# Altium PCB PCB_v4.PcbDoc (part 7 of 7)
Units mm, origin at the board's own origin, x right, y up, seen from the top; angles counter-clockwise.
Board outline 171.45 x 152.4 mm, 6 copper layers (Top Layer, Int1 (GND), Int2 (Sign), Int3 (Sign), Int4 (PWR), Bottom Layer), stack 1.551 mm thick; 408 components, 505 nets, 2356 pads, 897 vias.
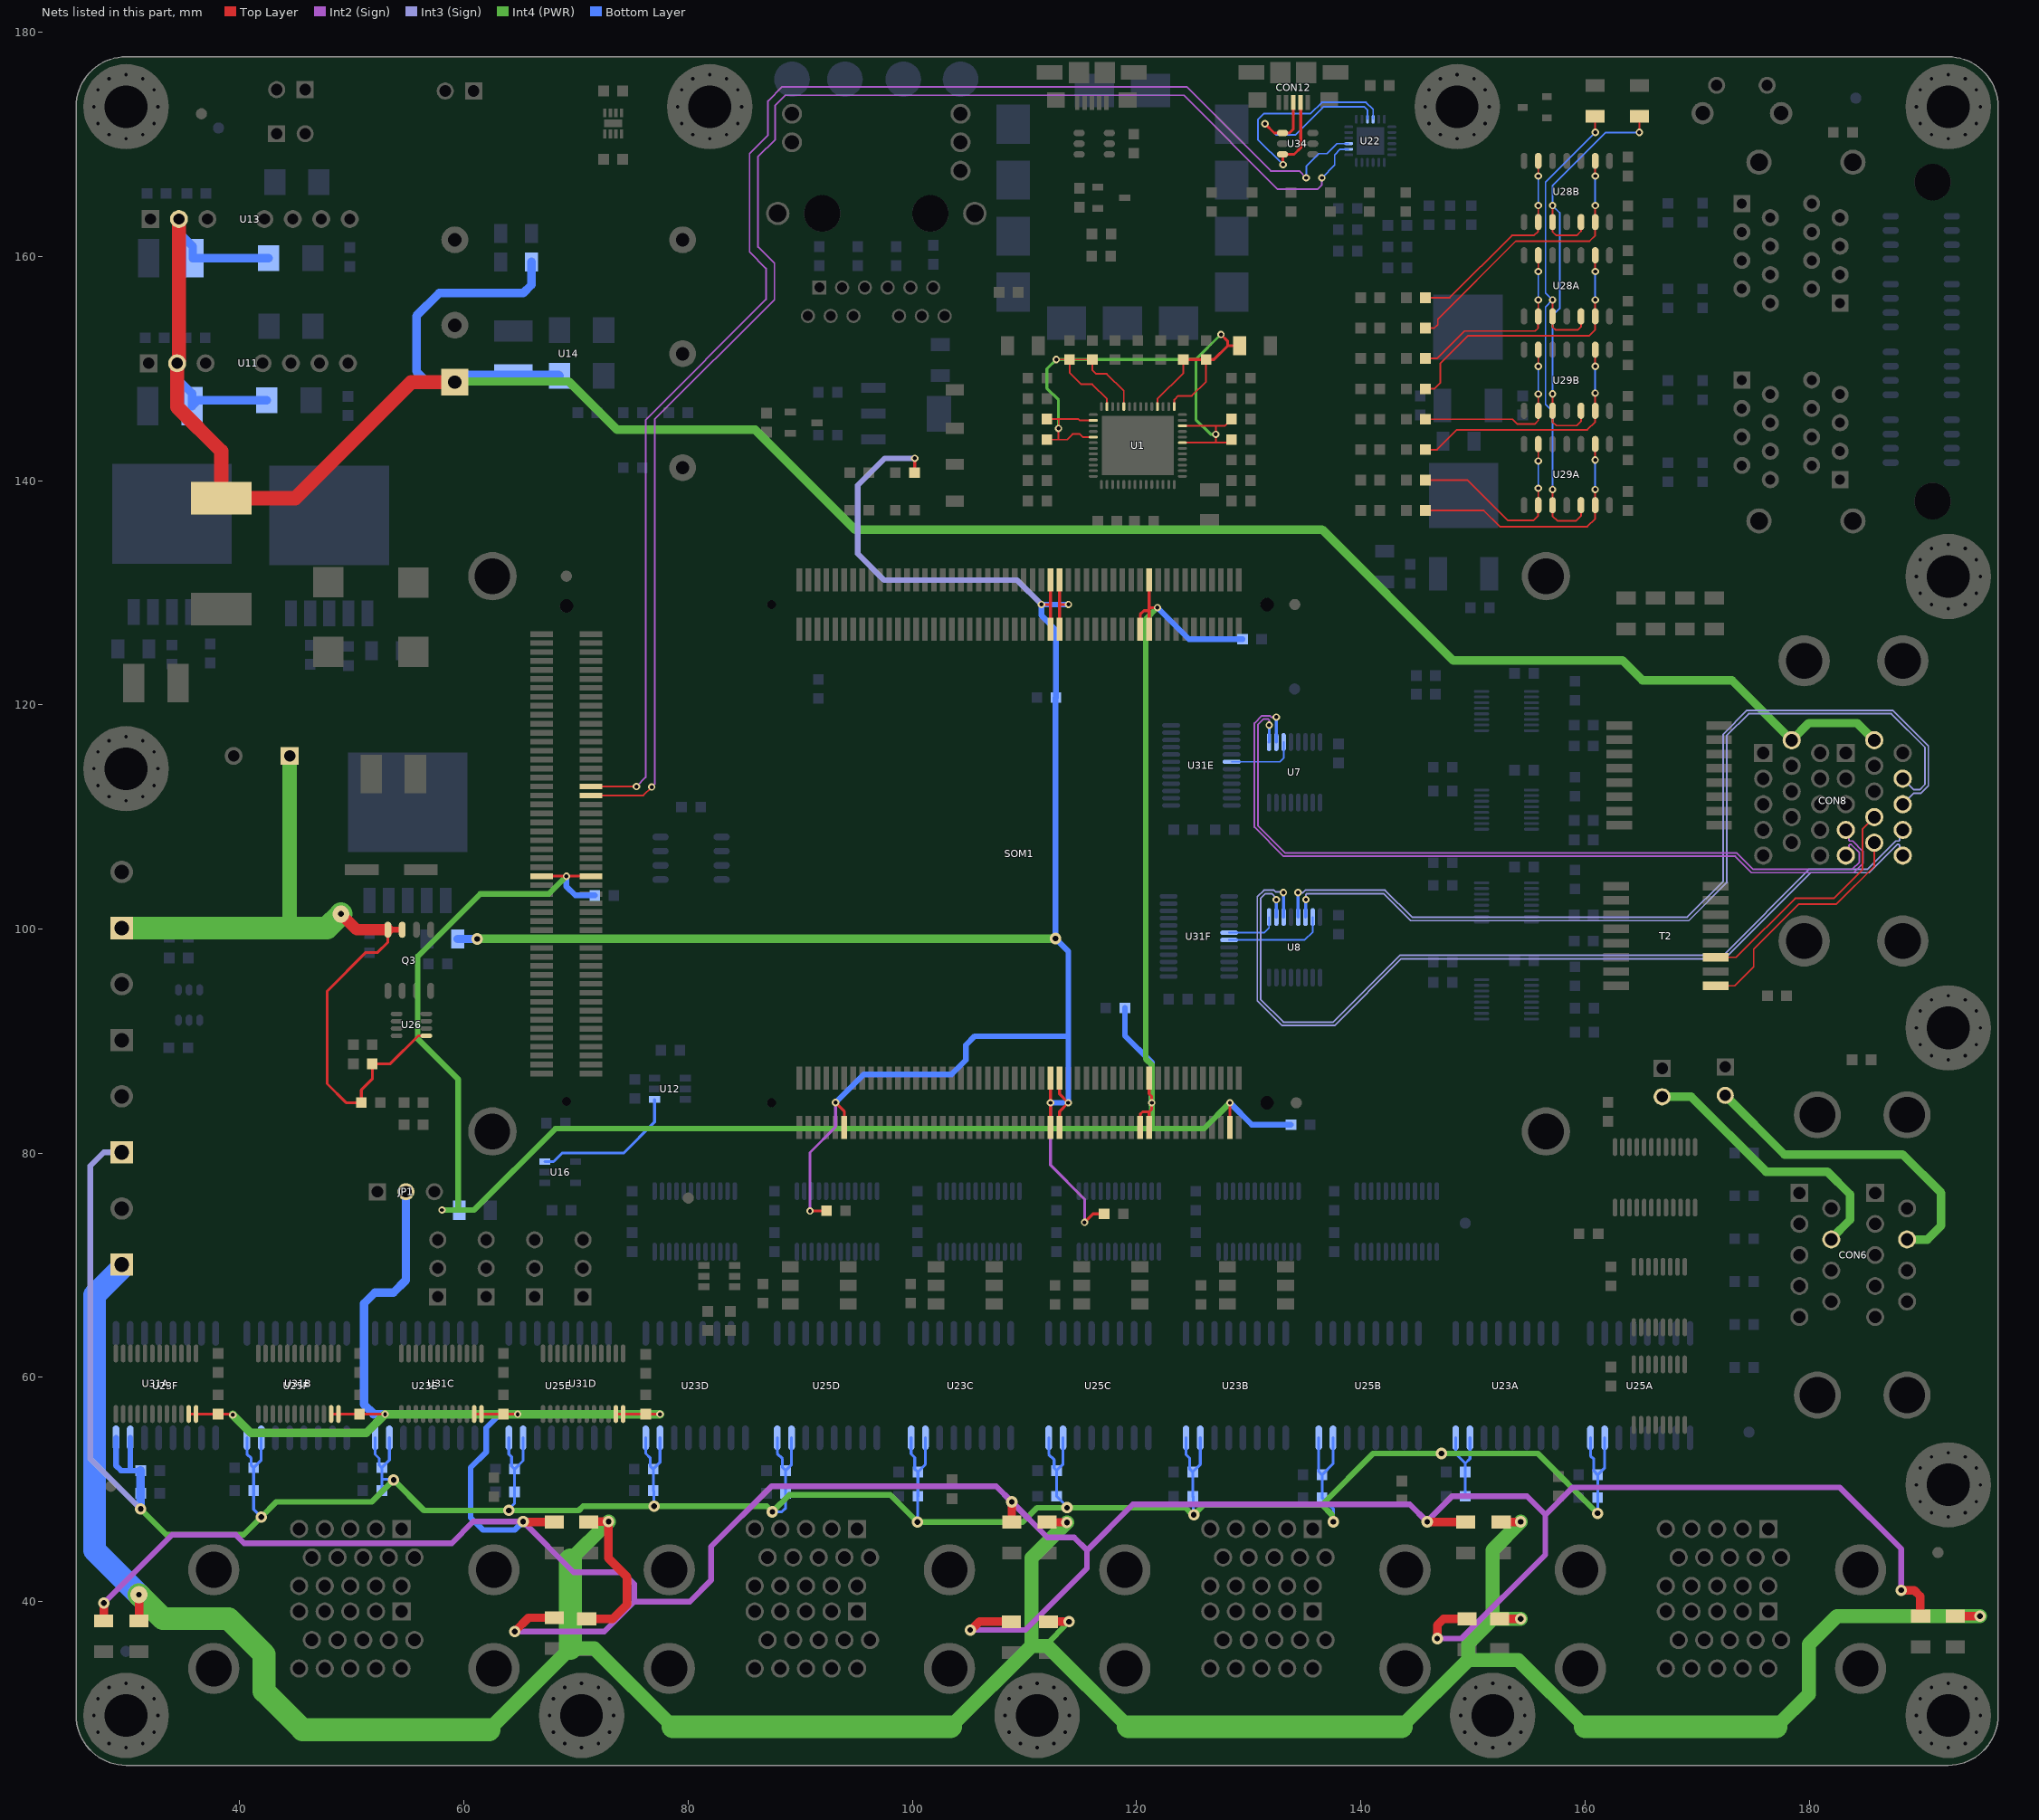
[diagram p11: the nets of this part, all layers, seen from the top]

## Via types
v1: diameter 0.66, hole 0.356, Top Layer to Bottom Layer, tented both sides, 808 vias
v2: diameter 1.016, hole 0.508, Top Layer to Bottom Layer, tented both sides, 72 vias
v3: diameter 0.66, hole 0.343, Top Layer to Bottom Layer, tented both sides, 7 vias
v4: diameter 1.524, hole 0.508, Top Layer to Bottom Layer, tented both sides, 7 vias
v5: diameter 1.524, hole 0.762, Top Layer to Bottom Layer, tented both sides, 2 vias
v6: diameter 2.032, hole 1.016, Top Layer to Bottom Layer, tented both sides, 1 vias

## Nets (pads, with @x,y where several pads share a name; then routed paths per layer and width w, separated by ;. In a path a pad name is that pad's centre, name@x,y a point inside that pad or via, vN(x,y) a via of type N, cw(c..) or ccw(c..) an arc to the next point about the centre after c; other vN are vias at no path point) (continued)
SPI3_OUT: U8.15 U31F.19 | length 9.1
  Bottom Layer w0.152: U31F.19@128.252,99.016 134.973,99.016 135.711,99.754 U8.15@135.711,101.066
SPI3_OUT_N: CON8.13B U8.13 | length 82.7
  Int3 (Sign) w0.152: v1(134.389,103.251) 134.4,103.24 134.833,103.24 135.054,103.462 142.156,103.462 144.564,101.054 169.126,101.054 172.327,104.255 172.327,117.377 174.458,119.507 187.452,119.507 190.627,116.332 190.627,112.776 189.967,112.116 189.332,112.116 CON8.13B@188.341,111.125
  Bottom Layer w0.254: v1(134.389,103.251) 134.4,103.24 134.4,101.077 U8.13@134.411,101.066
SPI3_OUT_P: CON8.12B U8.14 | length 80.8
  Int3 (Sign) w0.152: v1(135.103,102.623) 135.091,102.634 135.091,103.067 135.181,103.157 142.03,103.157 144.438,100.749 169.252,100.749 172.632,104.129 172.632,117.25 174.584,119.202 187.326,119.202 190.322,116.206 190.322,112.902 189.84,112.42 189.332,112.42 CON8.12B@188.341,113.411
  Bottom Layer w0.254: U8.14@135.061,101.066 135.082,101.086 135.082,102.603 v1(135.103,102.623)
SPI4_IM: CON8.10B T2.9 | length 21.6
  Top Layer w0.152: T2.9@171.663,94.935 173.333,94.935 175.045,96.647 175.045,98.21 179.07,102.235 182.431,102.235 185.801,105.605 CON8.10B@185.801,107.696
SPI4_IN: U7.11 U31E.18 | length 6.2
  Bottom Layer w0.152: U31E.18@128.477,114.915 132.784,114.915 133.111,115.243 U7.11@133.111,116.673
SPI4_IN_N: CON8.5B U7.9 | length 70.9
  Int2 (Sign) w0.152: v1(131.826,118.186) 131.839,118.2 131.839,118.63 131.75,118.72 131.293,118.72 130.81,118.237 130.81,109.22 133.239,106.791 173.524,106.791 174.981,105.334 183.845,105.334 184.48,105.969 184.48,106.807 183.743,107.544 183.617,107.544 183.528,107.454 183.528,106.82 CON8.5B@183.261,106.553
  Bottom Layer w0.254: U7.9@131.811,116.673 131.819,116.68 131.819,118.179 v1(131.826,118.186)
SPI4_IN_P: CON8.4B U7.10 | length 73.9
  Int2 (Sign) w0.152: v1(132.461,118.897) 132.448,118.884 132.017,118.884 131.876,119.024 131.166,119.024 130.505,118.363 130.505,109.094 133.113,106.486 173.397,106.486 174.854,105.029 183.971,105.029 184.785,105.843 184.785,106.933 183.869,107.848 183.617,107.848 183.528,107.938 183.528,108.572 CON8.4B@183.261,108.839
  Bottom Layer w0.254: U7.10@132.461,116.673 v1(132.461,118.897)
SPI4_IP: CON8.9B T2.11 | length 21.5
  Top Layer w0.152: T2.11@171.663,97.475 173.482,97.475 178.75,102.743 182.203,102.743 184.76,105.3 184.76,108.941 CON8.9B@185.801,109.982
SPI4_OUT: U8.9 U31F.18 | length 4.7
  Bottom Layer w0.152: U31F.18@128.252,99.666 131.365,99.666 131.811,100.112 U8.9@131.811,101.066
SPI4_OUT_N: CON8.15B U8.11 | length 80.1
  Int3 (Sign) w0.152: v1(133.096,103.251) 133.027,103.32 132.392,103.32 132.25,103.462 131.351,103.462 130.759,102.869 130.759,93.6 132.97,91.389 137.652,91.389 143.609,97.346 172.454,97.346 180.137,105.029 185.344,105.029 187.859,107.544 187.985,107.544 188.074,107.454 188.074,106.82 CON8.15B@188.341,106.553
  Bottom Layer w0.254: v1(133.096,103.251) 133.104,103.243 133.104,101.073 U8.11@133.111,101.066
SPI4_OUT_P: CON8.14B U8.10 | length 78
  Int3 (Sign) w0.152: v1(132.461,102.615) 132.461,102.738 132.043,103.157 131.478,103.157 131.064,102.743 131.064,93.726 133.096,91.694 137.526,91.694 143.483,97.651 172.327,97.651 180.011,105.334 185.218,105.334 187.733,107.848 187.985,107.848 188.074,107.938 188.074,108.572 CON8.14B@188.341,108.839
  Bottom Layer w0.254: U8.10@132.461,101.066 v1(132.461,102.615)
UART_USB_D_N: CON12.2 U22.4 U34.3 | length 23.7
  Top Layer w0.254: v1(133.061,168.183) 133.056,168.188 133.056,169.063 U34.3@133.016,169.103 134.051,169.103 134.635,169.687 CON12.2@134.635,173.609
  Bottom Layer w0.152: v1(133.061,168.183) 130.81,170.434 130.81,172.182 131.368,172.74 135.529,172.74 136.525,173.736 140.462,173.736 141.093,173.105 U22.4@141.093,172.232
UART_USB_D_P: CON12.3 U22.3 U34.1 | length 16.8
  Top Layer w0.254: v1(131.445,171.831) 132.273,171.003 U34.1@133.016,171.003 133.626,171.003 133.985,171.362 CON12.3@133.985,173.609
  Bottom Layer w0.152: v1(131.445,171.831) 132.421,170.855 134.193,170.855 136.693,173.355 140.293,173.355 140.593,173.055 U22.3@140.593,172.232
USB_UART_RXD: SOM1.JX3-64 U22.20 | length 129.7
  Top Layer w0.152: SOM1.JX3-64@71.332,111.908 75.993,111.908 v1(76.746,112.662)
  Int2 (Sign) w0.152: v1(76.746,112.662) 77.013,112.928 77.013,145.453 87.689,156.13 87.689,159.388 86.233,160.844 86.233,168.91 87.757,170.434 87.757,173.482 88.646,174.371 124.206,174.371 132.588,165.989 136.144,165.989 136.525,166.37 v1(136.525,167.005)
  Bottom Layer w0.152: v1(136.525,167.005) 137.668,168.148 137.668,169.063 138.162,169.557 U22.20@138.918,169.557
USB_UART_TXD: SOM1.JX3-66 U22.21 | length 128.8
  Top Layer w0.152: SOM1.JX3-66@71.332,112.708 v1(75.375,112.708)
  Int2 (Sign) w0.152: v1(75.375,112.708) 76.2,113.533 76.2,145.408 86.944,156.152 86.944,158.928 85.471,160.401 85.471,169.164 87.122,170.815 87.122,173.863 88.392,175.133 124.46,175.133 131.969,167.624 134.509,167.624 v1(135.128,167.005)
  Bottom Layer w0.152: v1(135.128,167.005) 135.128,168.035 136.257,169.164 136.99,169.164 137.883,170.057 U22.21@138.918,170.057
V_AA: R60A.2 U28A.2 U28A.13 | length 17.7
  Top Layer w0.152: R60A.2@145.757,150.894 146.806,150.894 149.253,153.341 155.549,153.341 155.813,153.605 155.813,154.631 U28A.2@155.829,154.647 v1(155.829,156.116) ; v1(155.829,158.648) U28A.13@155.829,160.097
  Bottom Layer w0.152: v1(155.829,156.116) v1(155.829,158.648)
V_AB: R60B.2 U28B.2 U28B.13 | length 18.8
  Top Layer w0.152: R60B.2@145.757,156.317 147.935,156.317 153.484,161.866 155.445,161.866 155.813,162.234 155.813,163.052 U28B.2@155.829,163.068 v1(155.829,164.533) ; v1(155.829,167.171) U28B.13@155.829,168.518
  Bottom Layer w0.152: v1(155.829,164.533) v1(155.829,167.171)
V_BA: R61A.2 U28A.6 U28A.9 | length 25
  Top Layer w0.152: R61A.2@145.757,148.183 146.556,148.183 147.09,148.716 147.09,150.447 149.551,152.908 160.358,152.908 160.909,153.459 U28A.6@160.909,154.647 v1(160.909,156.116) ; v1(160.909,158.648) U28A.9@160.909,160.097
  Bottom Layer w0.152: v1(160.909,156.116) v1(160.909,158.648)
V_BB: R61B.2 U28B.6 U28B.9 | length 25.5
  Top Layer w0.152: R61B.2@145.757,153.605 146.546,153.605 146.865,153.924 146.865,154.391 153.829,161.355 160.398,161.355 160.909,161.866 U28B.6@160.909,163.068 v1(160.909,164.533) ; v1(160.909,167.171) U28B.9@160.909,168.518
  Bottom Layer w0.152: v1(160.909,164.533) v1(160.909,167.171)
V_CA: R62A.2 U29A.2 U29A.13 | length 18.1
  Top Layer w0.152: R62A.2@145.757,140.048 149.512,140.048 153.111,136.449 155.404,136.449 155.808,136.852 155.808,137.785 U29A.2@155.829,137.806 v1(155.829,139.319) ; v1(155.828,141.743) v1@155.829,141.744 ; v1@155.828,141.745 U29A.13@155.829,143.256
  Bottom Layer w0.152: v1(155.829,139.319) v1@155.828,141.742
V_CB: R62B.2 U29B.2 U29B.13 | length 16.7
  Top Layer w0.152: R62B.2@145.757,145.471 153.539,145.471 153.966,145.043 155.502,145.043 155.829,145.371 U29B.2@155.829,146.227 v1(155.829,147.72) ; v1(155.829,150.199) U29B.13@155.829,151.677
  Bottom Layer w0.152: v1(155.829,147.72) v1(155.829,150.199)
V_DA: R63A.2 U29A.6 U29A.9 | length 22.7
  Top Layer w0.152: R63A.2@145.757,137.337 150.953,137.337 152.4,135.89 160.206,135.89 160.909,136.593 U29A.6@160.909,137.806 160.908,137.807 v1(160.908,139.2) ; v1(160.908,141.835) 160.908,143.255 U29A.9@160.909,143.256
  Bottom Layer w0.152: v1(160.908,139.2) v1(160.908,141.835)
V_DB: R63B.2 U29B.6 U29B.9 | length 22.6
  Top Layer w0.152: R63B.2@145.757,142.76 146.806,142.76 148.572,144.526 160.197,144.526 160.909,145.238 U29B.6@160.909,146.227 160.906,146.229 160.906,147.799 v1(160.903,147.802) ; v1(160.909,150.189) U29B.9@160.909,151.677
  Bottom Layer w0.152: v1(160.903,147.802) 160.906,147.804 160.906,150.186 v1(160.909,150.189)
VCCIO_EN: U12.4 U16.3 | length 13.3
  Bottom Layer w0.254: U16.3@67.205,79.254 67.98,79.254 68.736,80.01 74.232,80.01 77.002,82.78 77.002,84.782 U12.4@77.005,84.786
VCCO: C83.2 C87.2 C89.2 C90.2 R65.2 SOM1.JX1-78 SOM1.JX1-79 SOM1.JX1-80 SOM1.JX2-78 SOM1.JX2-79 SOM1.JX2-80 SOM1.JX2-98 SOM1.JX3-45 SOM1.JX3-46 | length 212.2
  Top Layer w0.254: SOM1.JX3-45@66.932,104.708 v1(69.132,104.708) SOM1.JX3-46@71.332,104.708 ; SOM1.JX2-78@120.318,82.296 120.318,83.482 120.532,83.696 121.118,83.696 ; SOM1.JX1-78@120.318,126.746 120.318,128.065 120.65,128.397 121.118,128.397 ; SOM1.JX2-80@121.118,82.296 121.118,83.696 ; SOM1.JX1-80@121.118,126.746 121.118,128.397 ; SOM1.JX1-79@121.118,131.146 121.118,128.672 ; SOM1.JX2-79@121.118,86.696 121.118,85.296 121.348,85.066 v1(121.348,84.496) 121.348,83.926 121.118,83.696 ; v1(121.855,128.672) 121.118,128.672 ; SOM1.JX2-98@128.318,82.296 v1(128.318,84.496) ; 121.118,128.397 121.118,128.672
  Int4 (PWR) w0.508: v1(58.039,74.93) 59.465,74.93 ; v1(69.132,104.708) 67.548,103.124 61.443,103.124 55.87,97.552 55.87,90.194 59.465,86.599 59.465,74.93 ; v1(121.855,128.672) 120.817,127.633 120.817,88.418 121.348,87.887 v1(121.348,84.496) 121.348,82.217 121.372,82.193 ; v1(128.318,84.496) 126.015,82.193 121.372,82.193 ; 59.465,74.93 60.892,74.93 68.155,82.193 121.372,82.193
  Bottom Layer w0.254: v1(58.039,74.93) 59.569,74.93 R65.2@59.585,74.914
  Bottom Layer w0.508: v1(69.132,104.708) 69.132,103.791 69.926,102.997 C83.2@71.667,102.997 ; C87.2@118.948,92.964 118.948,90.491 121.348,88.091 v1(121.348,84.496) ; v1(121.855,128.672) 124.67,125.857 C89.2@129.452,125.857 ; v1(128.318,84.496) 130.264,82.55 C90.2@133.761,82.55
VDDPS: C93A.1 C93B.1 C93C.1 C93D.1 JP1.2 R23.2 R25.2 R27.2 R29.2 R31.2 R33.2 R35.2 R37.2 U31A.23 U31A.24 U31B.23 U31B.24 U31C.23 U31C.24 U31D.23 U31D.24 | length 352.5
  Top Layer w0.254: U31A.23@35.445,56.736 U31A.24@36.095,56.736 C93A.1@38.069,56.736 38.083,56.722 39.302,56.722 v1(39.37,56.654) ; U31B.23@48.145,56.736 U31B.24@48.795,56.736 C93B.1@50.681,56.736 ; C93B.1@50.695,56.722 v1(52.959,56.722) ; U31C.23@60.905,56.736 U31C.24@61.555,56.736 C93C.1@63.508,56.736 63.522,56.722 v1(64.786,56.722) ; U31D.23@73.545,56.736 U31D.24@74.195,56.736 C93D.1@76.208,56.736 76.222,56.722 v1(77.482,56.722)
  Top Layer w0.508: C93B.1@50.681,56.736 C93B.1@50.695,56.722
  Top Layer w0.762: R25.2@27.862,38.29 v2(27.862,39.878) ; v2(64.516,37.338) 65.742,38.564 R29.2@68.072,38.564 ; v2(65.269,47.129) 65.286,47.112 68.055,47.112 R23.2@68.072,47.095 ; v2(105.156,37.465) 105.225,37.465 105.965,38.205 R33.2@108.815,38.205 ; R27.2@108.863,47.095 v2(108.863,48.895) ; v2(145.923,47.117) 145.934,47.106 149.341,47.106 R31.2@149.352,47.095 ; v2(146.812,36.703) 146.812,37.897 147.374,38.459 R37.2@149.483,38.459 ; v2(188.214,41.021) 189.357,41.021 189.905,40.473 189.905,38.952 189.666,38.713 R35.2@189.941,38.713
  Int2 (Sign) w0.508: v2(27.862,39.878) 33.958,45.974 39.63,45.974 40.392,45.212 58.903,45.212 60.819,47.129 v2(65.269,47.129) 69.776,42.621 74.128,42.621 75.184,41.565 75.184,40.005 ; v2(64.516,37.338) 72.517,37.338 75.184,40.005 ; v2(105.156,37.465) 110.045,37.465 115.57,42.989 115.57,44.577 ; v2(146.812,36.703) 148.971,36.703 156.464,44.196 156.464,47.752 ; v2(188.214,41.021) 188.214,44.704 182.728,50.19 158.902,50.19 156.464,47.752 ; 75.184,40.005 80.137,40.005 82.042,41.91 82.042,44.907 87.427,50.292 107.466,50.292 v2(108.863,48.895) 112.038,45.72 114.427,45.72 115.57,44.577 ; 115.57,44.577 119.659,48.666 144.374,48.666 v2(145.923,47.117) 145.923,47.186 148.14,49.403 154.813,49.403 156.464,47.752
  Int4 (PWR) w0.762: v1(39.37,56.654) 40.972,55.052 51.289,55.052 v1(52.959,56.722) v1(64.786,56.722) v1(77.482,56.722)
  Bottom Layer w0.508: v1(64.786,56.722) 63.205,56.722 61.974,55.49 61.974,53.338 60.579,51.943 60.579,47.51 61.693,46.396 64.536,46.396 v2(65.269,47.129)
  Bottom Layer w0.762: v1(52.959,56.722) 51.943,56.722 51.079,57.586 51.079,66.595 52.048,67.564 53.705,67.564 54.816,68.675 JP1.2@54.816,76.561
VDRIVE: C72A.1 C72B.1 C72C.1 C72D.1 C72E.1 C72F.1 C73A.1 C73B.1 C73C.1 C73D.1 C73E.1 C73F.1 C75A.1 C75B.1 C75C.1 C75D.1 C75E.1 C75F.1 C76A.1 C76B.1 C76C.1 C76D.1 C76E.1 C76F.1 CON2.1 U23A.15 U23A.16 U23B.15 U23B.16 U23C.15 U23C.16 U23D.15 U23D.16 U23E.15 U23E.16 U23F.15 U23F.16 U25A.15 U25A.16 U25B.15 U25B.16 U25C.15 U25C.16 U25D.15 U25D.16 U25E.15 U25E.16 U25F.15 U25F.16 | length 303.5
  Int4 (PWR) w0.508: v2(31.154,48.26) 33.44,45.974 40.335,45.974 v2(41.91,47.549) 43.256,48.895 51.772,48.895 v2(53.721,50.844) 56.432,48.133 v2(64.008,48.133) 70.231,48.133 70.612,48.514 v2(76.962,48.514) 86.995,48.514 v2(87.503,48.006) 89.027,49.53 98.022,49.53 v2(100.457,47.095) 109.841,47.095 111.125,48.379 v2(113.792,48.379) 124.33,48.379 124.958,47.752 v2(125.095,47.752) 125.113,47.752 126.002,48.641 136.525,48.641 ; v2(137.541,47.117) 137.444,47.214 137.444,47.722 136.525,48.641 ; v2(161.124,47.879) 155.79,53.213 v2(147.193,53.213) 141.097,53.213 136.525,48.641
  Int3 (Sign) w0.508: CON2.1@29.464,80.075 27.878,80.075 26.67,78.867 26.67,52.744 v2(31.154,48.26)
  Bottom Layer w0.254: U25F.16@40.64,54.61 40.64,53.159 41.021,52.778 41.021,52.158 C75F.1@41.236,51.943 ; v2(41.91,47.549) 41.236,48.223 C76F.1@41.236,49.911 C75F.1@41.236,51.943 ; U25F.15@41.91,54.61 41.91,52.617 C75F.1@41.236,51.943 ; U23E.16@52.07,54.61 52.07,53.132 52.435,52.767 52.435,52.174 C72E.1@52.666,51.943 ; C73E.1@52.666,49.911 52.666,50.927 ; U23E.15@53.34,54.61 53.34,52.617 C72E.1@52.666,51.943 ; v2(53.721,50.844) 53.638,50.927 52.666,50.927 ; U25E.16@63.999,54.61 63.999,53.159 64.245,52.913 64.245,52.084 C75E.1@64.513,51.816 ; v2(64.008,48.133) 64.008,48.27 64.513,48.775 C76E.1@64.513,49.784 C75E.1@64.513,51.816 ; U25E.15@65.269,54.61 65.269,52.572 C75E.1@64.513,51.816 ; U23D.16@76.212,54.61 76.212,53.213 76.621,52.803 76.621,52.078 C72D.1@76.884,51.816 ; v2(76.962,48.514) 76.923,48.553 76.923,49.872 C73D.1@76.884,49.911 C72D.1@76.884,51.816 ; U23D.15@77.482,54.61 77.482,52.414 C72D.1@76.884,51.816 ; v2(87.503,48.006) 88.344,48.006 88.688,48.35 C76D.1@88.688,49.657 C75D.1@88.688,51.689 ; U25D.16@87.943,54.61 87.943,53.204 88.408,52.739 88.408,51.969 C75D.1@88.688,51.689 ; U25D.15@89.213,54.61 89.213,52.214 C75D.1@88.688,51.689 ; U23C.16@99.888,54.61 99.888,53.178 100.21,52.855 100.21,51.836 C72C.1@100.484,51.562 ; v2(100.457,47.095) 100.47,47.108 100.47,49.39 C73C.1@100.484,49.403 C72C.1@100.484,51.562 ; U23C.15@101.158,54.61 101.158,52.236 C72C.1@100.484,51.562 ; U25C.16@112.162,54.61 112.162,53.128 112.634,52.656 112.634,51.919 C75C.1@112.864,51.689 ; U25C.15@113.432,54.61 113.432,52.257 C75C.1@112.864,51.689 ; v2(113.792,48.379) 113.792,48.475 C76C.1@112.864,49.403 C75C.1@112.864,51.689 ; U23B.16@124.406,54.61 124.406,53.105 124.736,52.775 124.736,51.828 C72B.1@125.002,51.562 ; v2(125.095,47.752) 125.048,47.799 125.048,49.356 C73B.1@125.002,49.403 C72B.1@125.002,51.562 ; U23B.15@125.676,54.61 125.676,52.236 C72B.1@125.002,51.562 ; U25B.16@136.247,54.61 136.247,51.603 C75B.1@136.542,51.308 ; U25B.15@137.517,54.61 137.517,52.283 C75B.1@136.542,51.308 ; v2(137.541,47.117) 137.541,48.277 C76B.1@136.542,49.276 C75B.1@136.542,51.308 ; v2(147.193,53.213) 147.214,53.192 148.463,53.192 ; U23A.16@148.463,54.61 148.463,53.192 ; C73A.1@149.313,49.403 C72A.1@149.313,51.562 149.313,52.328 ; U23A.15@149.733,54.61 149.733,52.748 149.313,52.328 ; U25A.16@160.482,54.61 160.482,53.005 160.782,52.705 160.782,51.65 C75A.1@161.124,51.308 ; v2(161.124,47.879) C76A.1@161.124,49.276 C75A.1@161.124,51.308 ; U25A.15@161.752,54.61 161.752,51.936 C75A.1@161.124,51.308 ; 52.666,50.927 C72E.1@52.666,51.943 ; 148.463,53.192 149.313,52.342 149.313,52.328
  Bottom Layer w0.508: U23F.16@28.956,54.61 28.956,52.125 29.392,51.689 30.226,51.689 ; U23F.15@30.226,54.61 30.226,51.689 ; C72F.1@31.154,51.689 30.226,51.689
  Bottom Layer w0.762: v2(31.154,48.26) C73F.1@31.154,49.657 C72F.1@31.154,51.689
VENCODER1: CON6.7T JP2.2 | length 25.1
  Int4 (PWR) w0.762: JP2.2@166.877,85.03 169.478,85.03 176.149,78.359 181.61,78.359 183.642,76.327 183.642,74.066 181.962,72.386 CON6.7T@181.962,72.305
VENCODER2: CON6.7B JP3.2 | length 29.3
  Int4 (PWR) w0.762: JP3.2@172.511,85.157 177.785,79.883 188.341,79.883 191.77,76.454 191.77,73.533 190.542,72.305 CON6.7B@188.722,72.305
VIN: C78.1 CON3.1 Q3.7 Q3.8 R55.1 R56.1 U26.1 | length 71.4
  Top Layer w0.254: Q3.8@53.213,99.937 53.211,99.935 53.211,98.831 52.291,97.911 51.244,97.911 47.789,94.457 47.789,86.196 49.473,84.512 R56.1@50.839,84.512 50.839,85.637 51.816,86.614 R55.1@51.816,87.98 53.418,87.98 55.913,90.475 U26.1@56.635,90.475
  Top Layer w0.508: Q3.8@53.213,99.937 Q3.7@54.483,99.937
  Top Layer w1.016: v4(49.022,101.346) 50.431,99.937 Q3.8@53.213,99.937
  Int4 (PWR) w1.27: 44.45,100.091 C78.1@44.45,115.443
  Int4 (PWR) w2.032: CON3.1@29.464,100.091 44.298,100.091 ; 44.45,100.091 47.767,100.091 v4(49.022,101.346)
VIN2: C35.1 C40.2 C41.1 C46.2 C47.1 C49.2 CON8.6A CON8.6B L2.1 R46.2 U11.2 U13.2 U14.1 | length 246.8
  Top Layer w1.27: U13.2@34.568,163.329 34.568,150.717 34.405,150.554 U11.2@34.405,150.465 34.405,146.57 38.354,142.621 L2.1@38.354,138.427 44.955,138.427 55.305,148.777 U14.1@59.182,148.777
  Int4 (PWR) w0.762: U14.1@59.182,148.777 59.249,148.844 69.342,148.844 73.66,144.526 85.979,144.526 94.869,135.636 136.545,135.636 148.229,123.952 163.349,123.952 165.127,122.174 173.101,122.174 CON8.6A@178.435,116.84 179.959,118.364 184.277,118.364 CON8.6B@185.801,116.84
  Bottom Layer w0.762: U11.2@34.405,150.465 34.405,149.11 35.738,147.777 C40.2@35.738,146.655 36.246,147.163 C35.1@42.406,147.163 ; U13.2@34.568,163.329 34.568,162.129 35.8,160.897 C46.2@35.8,159.839 C41.1@42.569,159.839 ; R46.2@66.018,159.512 66.018,157.458 65.278,156.718 57.785,156.718 55.753,154.686 55.753,149.733 56.709,148.777 U14.1@59.182,148.777 59.821,149.416 C49.2@64.389,149.416 68.453,149.416 C47.1@68.517,149.352
VIN_HDR: C104.2 C105.2 C106.2 R4.1 R64.1 SOM1.JX1-57 SOM1.JX1-58 SOM1.JX1-59 SOM1.JX1-60 SOM1.JX2-12 SOM1.JX2-57 SOM1.JX2-58 SOM1.JX2-59 SOM1.JX2-60 | length 207
  Top Layer w0.254: v1(90.86,74.841) 92.308,74.841 C104.2@92.335,74.867 ; v1(93.148,84.513) 93.918,83.743 SOM1.JX2-12@93.918,82.296 ; R4.1@100.178,140.702 100.203,140.726 v1(100.203,141.986) ; v1(111.506,128.946) 112.318,128.946 ; SOM1.JX2-58@112.318,82.296 v1(112.318,84.496) SOM1.JX2-57@112.318,86.696 ; SOM1.JX1-58@112.318,126.746 112.318,128.946 ; SOM1.JX1-57@112.318,131.146 112.318,128.946 ; SOM1.JX2-60@113.118,82.296 113.118,83.711 v1(113.903,84.496) 113.118,85.281 SOM1.JX2-59@113.118,86.696 ; SOM1.JX1-60@113.118,126.746 113.118,128.946 ; SOM1.JX1-59@113.118,131.146 113.118,128.946 ; v1(113.919,128.946) 113.118,128.946 ; v1(115.356,73.831) 116.114,74.588 C105.2@117.106,74.588
  Int2 (Sign) w0.254: v1(90.86,74.841) 90.86,80.063 93.148,82.351 v1(93.148,84.513) ; v1(112.318,84.496) 112.318,78.944 115.356,75.906 v1(115.356,73.831)
  Int4 (PWR) w0.762: v2@61.206,99.154 61.228,99.132 112.749,99.132 v2(112.77,99.154)
  Int3 (Sign) w0.508: v1(100.203,141.986) 97.533,141.986 95.121,139.574 95.121,133.477 97.474,131.124 109.328,131.124 v1(111.506,128.946)
  Bottom Layer w0.254: R64.1@59.436,99.119 R64.1@59.444,99.111
  Bottom Layer w0.508: v1(93.148,84.513) 95.659,87.025 103.475,87.025 104.756,88.306 104.756,89.644 105.552,90.44 113.903,90.44 ; v1(112.318,84.496) v1(113.903,84.496) 113.903,90.44 ; v1(113.919,128.946) v1(111.506,128.946) 111.506,127.971 112.801,126.677 C106.2@112.801,120.647 112.77,120.617 v2(112.77,99.154) 113.903,98.021 113.903,90.44
  Bottom Layer w0.762: R64.1@59.444,99.111 v2(61.163,99.111)
VIN_PS: CON5.1 R22.2 R24.2 R26.2 R28.2 R30.2 R32.2 R34.2 R36.2 | length 297.1
  Top Layer w0.762: R24.2@30.996,38.29 31.005,38.3 v4(31.005,40.623) ; R28.2@70.942,38.459 73.257,38.459 74.549,39.751 74.549,42.2 72.895,43.854 v2(72.895,47.129) 71.154,47.129 R22.2@71.12,47.095 ; R26.2@112.014,47.095 112.031,47.078 113.764,47.078 v2(113.781,47.062) ; R32.2@112.117,38.205 v2(113.983,38.205) ; R36.2@152.363,38.459 v2(154.265,38.459) ; R30.2@152.519,47.095 154.243,47.095 v2(154.265,47.117) ; R34.2@193.04,38.713 v2(195.235,38.713)
  Int4 (PWR) w0.508: CON5.1@29.377,69.85 CON5.1@29.464,69.763 ; 111.822,36.045 v2(113.983,38.205)
  Int4 (PWR) w1.27: 62.23,28.575 69.493,35.838 71.614,35.838 78.623,28.829 ; 69.493,43.727 v2(72.895,47.129) ; 103.401,28.829 110.617,36.045 ; 111.822,36.045 110.617,36.045 ; 112.037,36.045 119.253,28.829 ; v2(113.781,47.062) 110.617,43.898 110.617,36.045 ; 143.607,28.829 149.576,34.798 ; v2(154.265,38.459) 151.743,38.459 ; v2(154.265,47.117) 151.743,44.595 151.743,38.459 ; 160.005,28.829 154.036,34.798 149.576,34.798 ; 177.038,28.829 179.959,31.75 179.959,36.195 182.477,38.713 v2(195.235,38.713) ; 149.576,34.798 149.576,36.292 151.743,38.459
  Int4 (PWR) w2.032: v4(31.005,40.623) 33.147,38.481 38.989,38.481 42.164,35.306 42.164,32.004 45.593,28.575 62.23,28.575 ; 69.493,35.838 69.493,43.727 ; 78.623,28.829 103.401,28.829 ; 119.253,28.829 143.607,28.829 ; 160.005,28.829 177.038,28.829
  Bottom Layer w2.032: CON5.1@29.464,69.763 27.051,67.35 27.051,44.577 v4(31.005,40.623)
VREF: C6.1 C7.1 C11.1 C12.1 C16.1 C17.1 C20.1 C21.1 R82.2 U1.1 U1.4 U1.10 U1.13 U1.16 U1.19 U1.47 U1.50 | length 84.7
  Top Layer w0.152: C21.1@111.997,143.659 113.03,143.659 ; C20.1@111.997,145.487 113.044,145.487 ; v1(112.831,150.804) C6.1@114.016,150.804 ; U1.19@116.156,143.879 115.2,143.879 114.929,144.15 114.287,144.15 113.796,143.659 113.03,143.659 ; U1.16@116.156,145.379 U1.16@116.13,145.379 114.916,145.379 114.808,145.487 113.044,145.487 ; U1.13@117.355,146.583 U1.13@117.355,146.604 117.355,147.28 116.046,148.59 115.062,148.59 114.046,149.606 114.046,150.773 C6.1@114.016,150.804 ; U1.10@118.855,146.583 U1.10@118.855,146.604 118.855,147.996 117.333,149.518 116.406,149.518 116.046,149.878 C7.1@116.046,150.804 C6.1@114.016,150.804 ; U1.4@121.855,146.583 121.855,147.277 124.165,149.587 C11.1@124.165,150.804 ; U1.1@123.355,146.583 123.36,146.588 123.36,147.218 123.698,147.556 124.924,147.556 126.195,148.827 126.195,150.622 C17.1@126.013,150.804 ; U1.47@124.055,143.379 U1.47@124.08,143.379 127.061,143.379 ; U1.50@124.055,144.879 U1.50@124.08,144.879 127.061,144.879 ; C16.1@128.461,143.659 128.181,143.379 127.061,143.379 ; C12.1@128.461,145.487 127.853,144.879 127.061,144.879 ; 113.03,143.659 v1(113.03,144.65) 113.044,144.664 113.044,145.487 ; 127.061,143.379 v1(127.061,144.129) 127.061,144.879
  Top Layer w0.254: C11.1@124.165,150.804 C17.1@126.013,150.804 ; C17.1@126.195,150.804 126.898,150.804 128.126,152.031 ; v1(127.518,153.035) 128.126,152.427 128.126,152.031 ; R82.2@129.181,152.031 128.126,152.031
  Int4 (PWR) w0.254: v1(113.03,144.65) 113.03,147.196 111.997,148.229 111.997,149.97 v1(112.831,150.804) 125.287,150.804 ; v1(127.061,144.129) 126.597,144.129 125.287,145.439 125.287,150.804 ; v1(127.518,153.035) 125.287,150.804
VREFA: R77.2 U28A.3 U28A.5 U29A.3 U29A.5 | length 48.5
  Top Layer w0.152: v1@157.099,139.468 v1(157.099,139.2) U29A.3@157.099,137.806 157.099,136.846 157.547,136.398 159.187,136.398 159.639,136.85 U29A.5@159.639,137.806 ; v1(157.099,156.116) U28A.3@157.099,154.647 157.099,153.712 157.352,153.459 159.385,153.459 159.639,153.713 U28A.5@159.639,154.647 ; v1(160.909,171.057) R77.2@160.909,172.498
  Bottom Layer w0.152: v1(157.099,139.2) 157.099,146.181 156.478,146.802 156.478,155.495 v1(157.099,156.116) 156.478,156.737 156.478,166.626 v1(160.909,171.057)
VREFB: R57.2 U28B.3 U28B.5 U29B.3 U29B.5 | length 42.5
  Top Layer w0.152: v1(157.099,147.726) U29B.3@157.099,146.227 157.099,145.238 157.43,144.907 159.258,144.907 159.639,145.288 U29B.5@159.639,146.227 ; v1(157.099,164.533) U28B.3@157.099,163.068 157.099,162.203 157.436,161.866 159.261,161.866 159.639,162.244 U28B.5@159.639,163.068 ; v1(164.846,171.057) R57.2@164.846,172.488
  Bottom Layer w0.152: v1(157.099,147.726) 157.099,154.714 157.734,155.349 157.734,163.898 v1(157.099,164.533) 157.099,166.298 161.858,171.057 v1(164.846,171.057)
pads on no net: CON1. CON7.15 CON7.20 CON7.21 CON9.1 CON9.4 CON11.5 CON11.6 CON11.7 CON12.4 FID1.1 FID2.1 FID3.1 FID4.1 FID5.1 FID6.1 FID7.1 FID8.1 FID9.1 FID10.1 FID11.1 FID12.1 FID13.1 SOM1.0 SOM1.JX1-5 SOM1.JX1-7 SOM1.JX1-91 SOM1.JX1-93 SOM1.JX2-1 SOM1.JX2-2 SOM1.JX2-3 SOM1.JX2-4 SOM1.JX2-5 SOM1.JX2-6 SOM1.JX2-7 SOM1.JX2-8 SOM1.JX2-9 SOM1.JX2-37 SOM1.JX2-47 SOM1.JX2-49 SOM1.JX2-53 SOM1.JX2-55 SOM1.JX2-61 SOM1.JX2-63 SOM1.JX2-73 SOM1.JX3-1 SOM1.JX3-2 SOM1.JX3-3 SOM1.JX3-4 SOM1.JX3-5 SOM1.JX3-7 SOM1.JX3-8 SOM1.JX3-9 SOM1.JX3-10 SOM1.JX3-11 SOM1.JX3-13 SOM1.JX3-14 SOM1.JX3-15 SOM1.JX3-16 SOM1.JX3-19 SOM1.JX3-20 SOM1.JX3-21 SOM1.JX3-22 SOM1.JX3-25 SOM1.JX3-26 SOM1.JX3-27 SOM1.JX3-28 SOM1.JX3-30 SOM1.JX3-31 SOM1.JX3-32 SOM1.JX3-33 SOM1.JX3-34 SOM1.JX3-36 SOM1.JX3-39 SOM1.JX3-40 SOM1.JX3-42 SOM1.JX3-44 SOM1.JX3-63 SOM1.JX3-67 SOM1.JX3-68 SOM1.JX3-69 SOM1.JX3-70 SOM1.JX3-73 SOM1.JX3-74 SOM1.JX3-76 T1.2 T1.4 T1.5 T1.7 T1.10 T1.12 T1.13 T1.15 T2.2 T2.4 T2.5 T2.7 T2.10 T2.12 T2.13 T2.15 U1.42 U4.4 U4.13 U4.14 U4.15 U6.4 U6.13 U6.14 U6.15 U10.4 U11.3 U11.8 U13.3 U13.8 U16.4 U22.1 U22.10 U22.11 U22.12 U22.15 U22.16 U22.18 U22.19 U22.22 U22.23 U22.24 U26.6 U28A.1 U28A.7 U28B.1 U28B.7 U29A.1 U29A.7 U29B.1 U29B.7 U34.4 U39.4 U40.4 U41.1 U41.4

## Polygon pours and split planes (outlines as drawn)
GND on Int1 (GND) "GND_L02_P000" (solid, remove dead copper, pour order 0): 25.4,25.4 196.85,25.4 196.85,177.8 25.4,177.8
1.8V on Top Layer "1.8V_L01_P002" (solid, remove dead copper, pour order 2): 25.4,25.4 196.85,25.4 196.85,177.8 25.4,177.8
5V on Int4 (PWR) "5V_L05_P004" (solid, remove dead copper, pour order 4): 25.4,177.8 25.4,25.4 196.85,25.4 196.85,177.8

## Keep-outs
Keep-Out Layer:
  the board outline again, w0.254

## Silkscreen, mask and mechanical layers (free items; w line width, h text height)
Top Overlay:
  rectangle: 124.689,58.587 136.689,64.587
  rectangle: 111.689,58.587 123.689,64.587
  rectangle: 98.689,58.587 110.689,64.587
  rectangle: 85.689,58.587 97.689,64.587
  lines w0.254: 33.464,67.568 48.548,67.568 48.548,107.591 33.464,107.591 ; 33.464,77.575 48.548,77.575 ; 33.464,87.583 48.548,87.583 ; 33.464,97.583 48.548,97.583 ; 50.514,80.668 50.514,63.881 77.927,63.881 77.927,78.133 ; 50.514,80.673 58.718,80.673 ; 54.229,74.422 55.88,74.422 ; 54.816,74.422 54.816,75.501 ; 59.817,66.294 59.817,72.933 ; 64.136,66.294 64.136,72.933 ; 68.455,66.294 68.455,72.933 ; 72.39,69.731 74.945,69.731 ; 83.947,135.283 83.947,147.955 101.918,147.955 101.918,135.283 ; 85.739,137.986 85.739,137.35 92.978,137.35 ; 85.739,141.337 85.739,140.702 92.978,140.702 ; 92.597,136.969 92.978,137.35 ; 92.597,137.731 92.978,137.35 ; 92.597,140.321 92.978,140.702 ; 92.597,141.083 92.978,140.702 ; 105.562,158.18 123.444,158.18 ; 112.922,160.024 114.513,160.024 ; 113.91,159.421 114.513,160.024 ; 113.91,160.628 114.513,160.024 ; 123.444,177.734 123.444,158.18 ; 129.678,160.275 130.281,160.275 130.281,162.593 ; 129.678,161.99 130.281,162.593 ; 130.885,161.99 130.281,162.593 ; 136.659,160.275 137.262,160.275 137.262,162.593 ; 136.659,161.99 137.262,162.593 ; 137.865,161.99 137.262,162.593 ; 143.392,161.99 143.995,162.593 ; 143.995,161.355 143.995,162.593 ; 144.599,161.99 143.995,162.593 ; 149.328,168.084 149.328,158.18 123.444,158.18 ; 165.735,82.677 166.877,82.677 166.877,83.876 ; 166.421,83.42 166.877,83.876 ; 167.333,83.42 166.877,83.876 ; 171.368,82.804 172.511,82.804 172.511,84.003 ; 172.055,83.547 172.511,84.003 ; 172.967,83.547 172.511,84.003
  lines w0.508: 35.941,100.203 37.973,100.203 ; 36.068,69.723 38.1,69.723 ; 36.068,79.883 38.1,79.883 ; 36.957,99.187 36.957,101.219 ; 36.957,104.013 36.957,106.045 ; 37.084,68.707 37.084,70.739 ; 37.084,73.533 37.084,75.565 ; 37.084,78.867 37.084,80.899 ; 37.084,83.693 37.084,85.725 ; 44.474,170.053 44.601,170.053 ; 44.474,170.942 44.601,170.942 ; 44.474,171.831 44.601,171.831 ; 44.474,173.987 44.601,173.987 ; 44.474,174.876 44.601,174.876 ; 44.474,175.765 44.601,175.765 ; 56.007,75.672 56.134,75.672 ; 56.007,76.561 56.134,76.561 ; 56.007,77.45 56.134,77.45 ; 56.766,70.922 56.766,71.049 ; 57.655,70.922 57.655,71.049 ; 58.544,70.922 58.544,71.049 ; 59.515,173.863 59.642,173.863 ; 59.515,174.752 59.642,174.752 ; 59.515,175.641 59.642,175.641 ; 61.085,68.413 61.085,68.54 ; 61.974,68.413 61.974,68.54 ; 62.863,68.413 62.863,68.54 ; 65.404,68.413 65.404,68.54 ; 66.293,68.413 66.293,68.54 ; 67.182,68.413 67.182,68.54 ; 69.723,68.413 69.723,68.54 ; 70.612,68.413 70.612,68.54 ; 71.501,68.413 71.501,68.54 ; 165.988,86.221 165.988,86.348 ; 166.877,86.221 166.877,86.348 ; 167.766,86.221 167.766,86.348 ; 171.622,86.348 171.622,86.475 ; 172.511,86.348 172.511,86.475 ; 173.4,86.348 173.4,86.475
  lines w0.762: 138.92,54.916 157.619,54.916 157.619,73.366 138.92,73.366 138.92,54.916
  text "+16V" at 35.917,173.609 h1.52
  text "5V5" at 51.974,173.609 h1.52
  text "RESET" at 179.705,172.476 h1.52
  text "-16V" at 35.917,169.799 h1.52
  text "UART" at 127.889,169.672 h2.03 r90
  text "JTAG" at 110.109,169.203 h2.03 r90
  text "FPGA / DONE" at 106.992,159.261 h1.27
  text "TX" at 126.836,159.259 h1.27
  text "RX" at 133.774,159.259 h1.27
  text "SUSPEND" at 138.637,159.259 h1.27
  text "Ethernet" at 87.63,149.733 h2.03
  text "PZPWR" at 86.049,140.955 h1.27
  text "PZPG" at 85.949,137.564 h1.27
  text "Analog Input" at 165.262,131.883 h2.03
  text "isoSPI" at 174.64,127.343 h2.03
  text "VIN" at 37.505,103.287 h1.52
  text "24V" at 37.545,99.73 h2.03
  text "ESTOP" at 36.906,91.008 h2.03
  text "VDRIVE" at 38.33,82.844 h1.52
  text "VENC2" at 170.901,82.55 h1.27 r90
  text "VENC1" at 165.268,82.423 h1.27 r90
  text "5V-18V" at 38.33,79.375 h1.52
  text "PSVDD" at 52.276,78.133 h1.02
  text "REV20200129D" at 138.557,74.422 h1.27
  text "Power Stack Status Direction" at 60.706,74.041 h1.02
  text "3V3" at 50.727,73.66 h1.02
  text "5V" at 56.276,73.66 h1.02
  text "VINPS" at 37.465,72.39 h1.52
  text "OUT" at 72.129,70.866 h1.52
  text "A" at 139.458,69.902 h2.03
  text "MAX" at 38.735,69.215 h1.52
  text "2A" at 43.942,69.215 h1.52
  text "!" at 47.244,69.215 h1.52
  text "M" at 139.458,67.108 h2.03
  text "IN" at 72.245,66.294 h1.52
  text "A" at 56.927,64.262 h1.27
  text "B" at 61.246,64.262 h1.27
  text "C" at 65.565,64.262 h1.27
  text "D" at 69.884,64.262 h1.27
  text "D" at 139.458,64.06 h2.03
  text "dvanced / otor / rive / ontroller" at 141.943,61.106 h1.78
  text "C" at 139.458,61.012 h2.03
  text "ABZ Encoder" at 174.066,59.735 h2.03 r90
  text "1: top, 2: bottom" at 176.53,59.436 h1.27 r90
  text "Severson Group" at 139.839,55.805 h3.17
  text "RGB1" at 85.689,55.626 h1.52
  text "RGB2" at 98.689,55.626 h1.52
  text "RGB3" at 111.689,55.626 h1.52
  text "RGB4" at 124.689,55.626 h1.52
  text "Power Stack" at 37.668,50.546 h2.03
  text "Power Stack" at 78.308,50.546 h2.03
  text "Power Stack" at 118.948,50.546 h2.03
  text "Power Stack" at 159.588,50.546 h2.03
  text "1: top, 2: bottom" at 37.668,48.091 h1.27
  text "3: top, 4: bottom" at 78.308,48.091 h1.27
  text "5: top, 6: bottom" at 118.948,48.091 h1.27
  text "7: top, 8: bottom" at 159.588,48.091 h1.27
Bottom Overlay:
  lines w0.254: 89.357,167.011 93.091,167.011 ; 90.843,169.545 90.843,168.783 102.705,168.783 102.705,169.545 ; 92.342,166.292 93.073,167.024 ; 92.348,167.767 93.079,167.036
  text "JTAG" at 88.773,166.243 h1.27
  text "TDI" at 93.599,165.455 h1.02 r270
  text "TDO" at 95.377,165.151 h1.02 r270
  text "TCK" at 97.155,165.151 h1.02 r270
  text "TMS" at 98.806,165.151 h1.02 r270

## Text inside footprints (layer, text, board x,y; h text height)
SOM1: Top Overlay "TM" at 108.489,117.529 h0.38 r90; Top Overlay "JX1" at 85.82,127.079 h1.52 r90; Top Overlay "JX2" at 85.718,82.451 h1.52 r90; Top Overlay "50" at 108.466,79.695 h0.76; Top Overlay "76" at 118.88,79.695 h0.76; Top Overlay "75" at 118.88,88.458 h0.76; Top Overlay "51" at 109.355,88.585 h0.76; Top Overlay "26" at 98.814,79.949 h0.76; Top Overlay "25" at 98.814,88.585 h0.76; Top Overlay "1" at 89.147,87.875 h1.02; Top Overlay "2" at 88.665,80.178 h1.02; Top Overlay "99" at 129.802,87.95 h1.02; Top Overlay "100" at 129.802,79.949 h1.02; Top Overlay "100" at 129.802,124.399 h1.02; Top Overlay "99" at 129.802,132.4 h1.02; Top Overlay "2" at 88.665,124.628 h1.02; Top Overlay "1" at 89.147,132.325 h1.02; Top Overlay "25" at 98.814,133.035 h0.76; Top Overlay "26" at 98.814,124.399 h0.76; Top Overlay "51" at 109.355,133.035 h0.76; Top Overlay "75" at 118.88,132.908 h0.76; Top Overlay "76" at 118.88,124.145 h0.76; Top Overlay "50" at 108.466,124.145 h0.76; Top Overlay "50" at 73.933,105.656 h0.76 r90; Top Overlay "76" at 73.933,116.07 h0.76 r90; Top Overlay "75" at 65.17,116.07 h0.76 r90; Top Overlay "51" at 65.043,106.368 h0.76 r90; Top Overlay "26" at 73.679,96.004 h0.76 r90; Top Overlay "25" at 65.043,95.827 h0.76 r90; Top Overlay "1" at 65.754,86.338 h1.02 r90; Top Overlay "2" at 73.45,85.855 h1.02 r90; Top Overlay "99" at 65.411,126.089 h1.02 r90; Top Overlay "100" at 73.92,126.012 h1.02 r90; Top Overlay "JX3" at 70.999,83.01 h1.52 r180